# Altium PCB motordriver-v5.1_willem.PcbDoc (part 3 of 6)
Units mil, origin at the board's own origin, x right, y up, seen from the top; angles counter-clockwise.
Board outline 3985.43 x 6141.73 mil, 4 copper layers (Top Copper, Signal Layer 1, Signal Layer 2, Bottom Copper), stack 46.063 mil thick; 731 components, 510 nets, 2436 pads, 771 vias.
Unrouted connection lines stored in the file: 766.
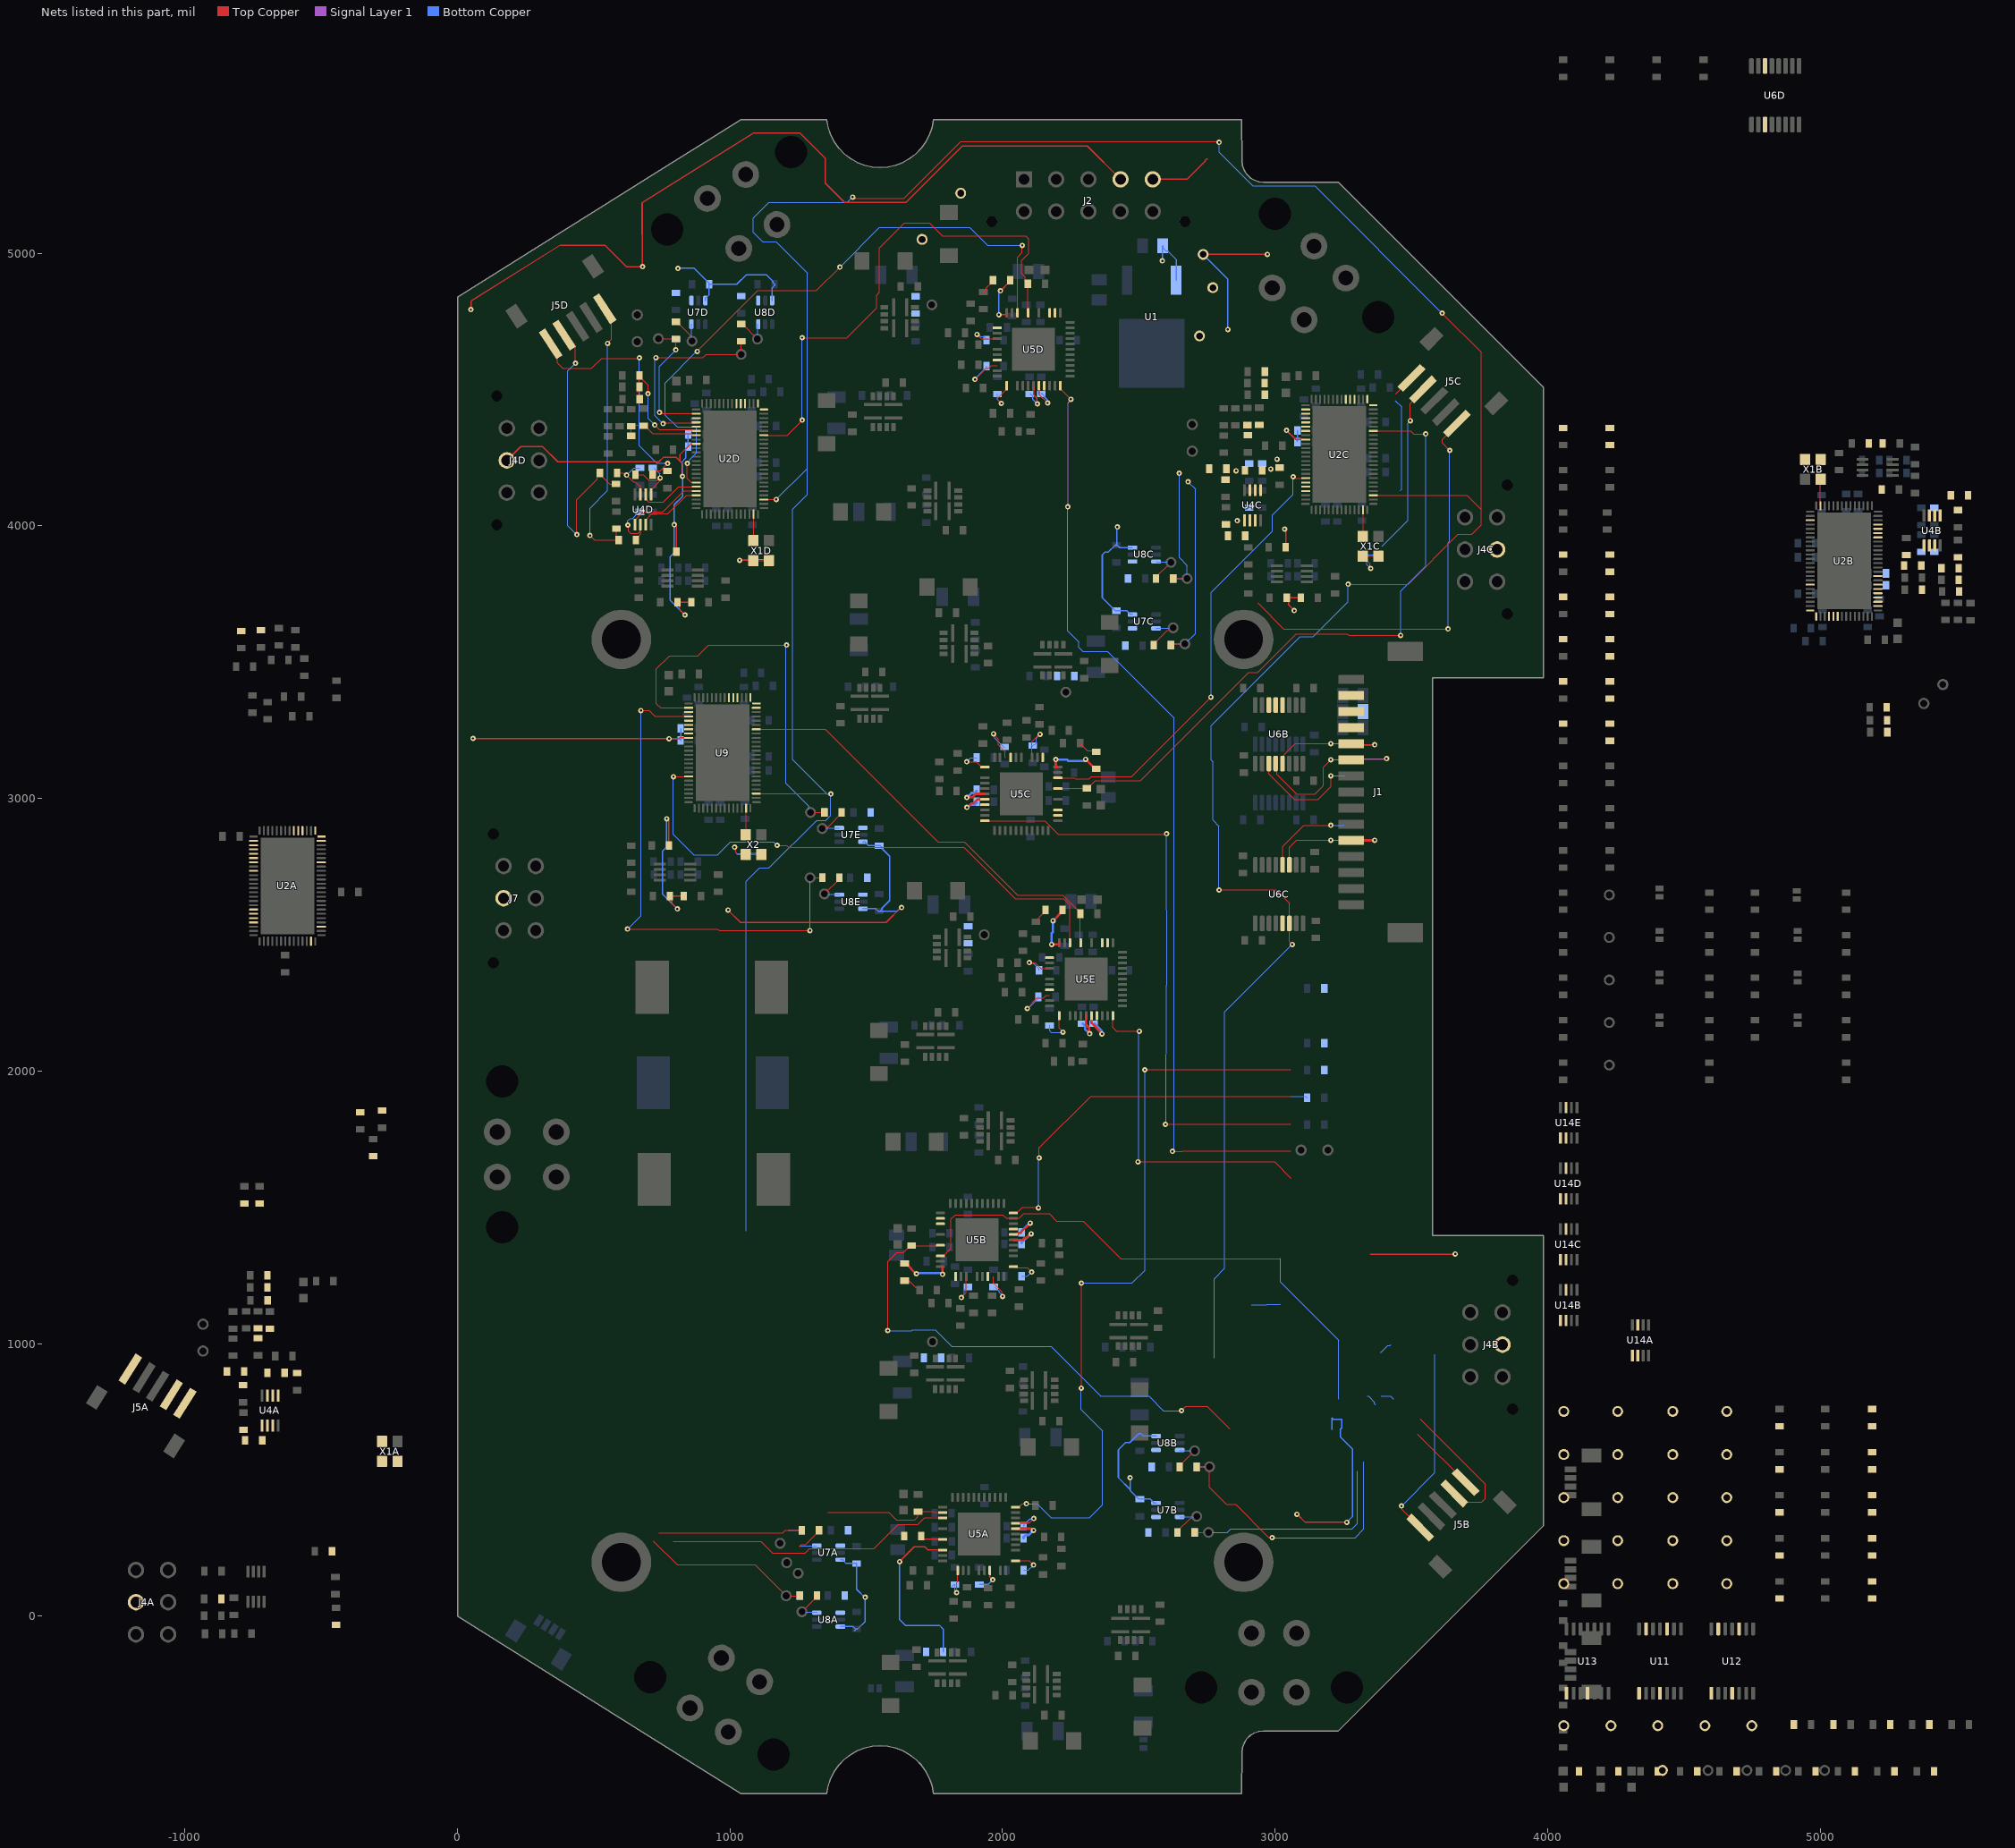
[diagram p5: the nets of this part, all layers, seen from the top]

## Part data (continued)
R38A R38B R38C R38D R38E R39A R39B R39C R39D R39E R41A R41B R41C R41D R41E R44A R44B R44C R44D R44E R45A R45B R45C R45D R45E R47A R47B R47C R47D R47E R51A R51B R51C R51D R51E R52A R52B R52C R52D R52E R54A R54B R54C R54D R54E: library part "RES 10.0 1/8W - 1%", "Default Resistor Symbol", Manufacturer Part Number 1=RNCP0603FTD10R0, Package=0805, Power (Watts)=0.125W, Supplier Part Number 1=RNCP0603FTD10R0CT-ND, Tolerance=1%, Manufacturer Part Number 2=RNCP0603FTD10R0, Part Number="RES 10.0 1/8W - 1%", Supplier 1=Digi-Key, Supplier 2=Digi-Key, Supplier Part Number 2=RNCP0603FTD10R0CT-ND, Tolerance 2=1%
R40A R40B R40C R40D R40E R46A R46B R46C R46D R46E R53A R53B R53C R53D R53E: library part "RES 10m 1W", "Default Resistor Symbol", Manufacturer Part Number 1=CSRL1-0R01F8, Package=0805, Power (Watts)=0.125W, Supplier Part Number 1=696-1845-1-ND, Tolerance=1%, Part Number="RES 10m 1W", Supplier 1=Digi-Key
R81A R81B R81C R81D R81E R81F R81G R81H R81I R81J R81K: library part "RES 100.0 1/8W - 5%", "Default Resistor Symbol", Manufacturer Part Number 1=RMCF0805JT100R, Manufacturer Part Number 2=RK73B1JRTTD101J, Package=0805, Power (Watts)=0.125W, Supplier Part Number 1=RMCF0805JT100RCT-ND, Tolerance=5%, Part Number="RES 100.0 1/8W - 5%", Supplier 1=Digi-Key, Supplier 2=Digi-Key, Supplier Part Number 2=2019-RK73B1JRTTD101JCT-ND, Tolerance 2=5%
U1: "Linear Voltage Regulator IC Positive Fixed 1 Output  1A TO-252-3", Package=TO-252-3, Supplier Part Number 1=ZLDO1117K33DICT-ND, Digikey=ZLDO1117K33DIDKR-ND, Digikey Link=https://www.digikey.ca/product-detail/en/diodes-incorporated/ZLDO1117K33TC/ZLDO1117K33DIDKR-ND/2095639, Manufacturer Part Number=ZLDO1117K33TC, MF="Diodes Incorporated", MP=ZLDO1117K33TC, Part Number=ZLDO1117K33TC, Suppler URL 1=https://www.digikey.ca/product-detail/en/diodes-incorporated/ZLDO1117K33TC/ZLDO1117K33DIDKR-ND/2095639, Supplier 1=Digi-Key
U2A U2B U2C U2D U9: library part TMC4671, "Motor Driver, -40 To 125Deg C Rohs Compliant: Yes", Supplier Part Number 1=1460-TMC4671-LA-ND, Manufacturer Part Number=TMC4671-LA, Part Number=TMC4671, Suppler URL 1=https://www.digikey.ca/en/products/detail/trinamic-motion-control-gmbh/TMC4671-LA/12174669?s=N4IgTCBcDaIIwBYBsAGAtAFQLIGFkHY40AZAQTQDkAREAXQF8g, Supplier 1=Digi-Key
U3A U3B U3C U3D U4A U4B U4C U4D U10: library part "IC 74LVC3G17DC,125", "IC BUFFER TRIPLE SCHMITT TRIGGER 5.5V VSSOP-8", Supplier Part Number 1=33AC1281, Manufacturer Part Number=74LVC3G17DC,125, Part Number="IC 74LVC3G17DC,125", Suppler URL 1=https://canada.newark.com/nexperia/74lvc3g17dc-125/buffer-non-inverting-triple-vssop/dp/33AC1281?ost=33ac1281, Supplier 1=Newark
U5A U5B U5C U5D U5E: "GATE DRIVER IC 8-60V QFN37", Manufacturer Part Number=TMC6100-LA, Supplier Part Number 1=54AH1603, Part Number=TMC6100, Suppler URL 1=https://canada.newark.com/trinamic/tmc6100-la/motor-driver-40-to-125deg-c-rohs/dp/54AH1603?ost=54ah1603, Supplier 1=Newark
U6A U6B U6C U6D: library part "ISO ADUM141D1BRQZ", "Digital Isolator CMOS 4-CH 150Mbps 16-Pin QSOP T/R", Supplier Part Number 1=ADUM141D1BRQZ-ND, Manufacturer Part Number=ADUM141D1BRQZ, Part Number="ISO ADUM141D1BRQZ", Suppler URL 1=https://www.digikey.ca/en/products/detail/analog-devices-inc/ADUM141D1BRQZ/7606661, Supplier 1=Digi-Key
U7A U7B U7C U7D U7E U8A U8B U8C U8D U8E: "SP Amp Current Sense Amp Single R-R O/P 5.5V Automotive 6-Pin SC-70 T/R", Manufacturer Part Number=TSC214ICT, Supplier Part Number 1=497-TSC214ICT-ND, Part Number="OP AMP CURR SENSE BI TSC", Suppler URL 1=https://www.digikey.ca/en/products/detail/stmicroelectronics/TSC214ICT/14291430?s=N4IgTCBcDaICwE4DsBaAKgZQMJgIxwEks0UA5AERAF0BfIA, Supplier 1=Digi-Key
U11 U12 U13: library part SN74LVC125APWR, "Buffer, Non-Inverting 4 Element 1 Bit per Element 3-State Output 14-TSSOP", Supplier Part Number 1=296-1222-1-ND, Manufacturer Part Number=SN74LVC125APWR, Part Number=SN74LVC125APWR, Suppler URL 1=https://www.digikey.ca/en/products/detail/texas-instruments/SN74LVC125APWR/276865, Supplier 1=Digi-Key
U14A U14B U14C U14D U14E: "Analog Switch ICs Multi/Demultiplexer LV 3:1 SP3T", Package=None, Supplier Part Number 1=512-FSA3357K8X, Availability=Unavailable, Manufacturer Part Number=FSA3357K8X, MP=FSA3357K8X, Part Number=FSA3357K8X, Price=None, Suppler URL 1=https://www.mouser.ca/ProductDetail/onsemi-Fairchild/FSA3357K8X?qs=sGAEpiMZZMtqBmg8fZQA6wYDAhwKfUHh, Supplier 1=Mouser
X1A X1B X1C X1D X2: library part "XTAL OSC 25MHz 3.3V", "Oscillator XO 25MHz ±15ppm 15pF CMOS 55% 2.5V/3.3V 4-Pin Mini-CSMD T/R", Frequency=32.768kHz, Load Capacitance=12.5pF, Supplier Part Number 1=1253-1254-6-ND, Manufacturer Part Number=KC2520C25.0000C2LE00, Part Number="XTAL OSC 25MHz 3.3V", Supplier 1=Digi-Key, Supplier URL 1=https://www.digikey.ca/en/products/detail/kyocera-avx/KC2520C25-0000C2LE00/4867084?s=N4IgTCBcDaIIxgKwGYC0DEBZUDZUDkAREAXQF8g
TP1 TP2 TP3 TP4 TP5 TP6 TP7 TP8 TP9 TP10 TP11A TP11B TP11C TP11D TP11E TP12A TP12B TP12C TP12D TP12E TP13A TP13B TP13C TP13D TP13E TP14A TP14B TP14C TP14D TP14E TP15A TP15B TP15C TP15D TP15E TP16A TP16B TP16C TP16D TP16E TP17A TP17B TP17C TP17D TP17E TP18A TP18B TP18C TP18D TP18E TP19A TP19B TP19C TP19D TP19E TP20A TP20B TP20C TP20D TP20E TP21 TP22 TP23 TP24 TP25: Part Number="Test Point (Via)"

## Via types
v1: diameter 19.68, hole 7.87, Top Copper to Bottom Copper, tented both sides, 476 vias
v2: diameter 24, hole 10, Top Copper to Bottom Copper, 160 vias
v3: diameter 19.68, hole 7.87, Top Copper to Bottom Copper, 80 vias
v4: diameter 30, hole 15, Top Copper to Bottom Copper, tented both sides, 55 vias

## Nets (pads, with @x,y where several pads share a name; then routed paths per layer and width w, separated by ;. In a path a pad name is that pad's centre, name@x,y a point inside that pad or via, vN(x,y) a via of type N, cw(c..) or ccw(c..) an arc to the next point about the centre after c; other vN are vias at no path point)
2.5V_REFA: C48A.2 C51A.2 R71A.2 R72A.1 U2A.17 U2A.19 U7A.1 U8A.1
2.5V_REFB: C48B.2 C51B.2 R71B.2 R72B.1 U2B.17 U2B.19 U7B.1 U8B.1
2.5V_REFC: C48C.2 C51C.2 R71C.2 R72C.1 U2C.17 U2C.19 U7C.1 U8C.1
2.5V_REFD: C48D.2 C51D.2 R71D.2 R72D.1 U2D.17 U2D.19 U7D.1 U8D.1
2.5V_REFE: C48E.2 C51E.2 R71E.2 R72E.1 U7E.1 U8E.1 U9.17 U9.19
5V: C1.2 C12A.2 C12B.2 C12C.2 C12D.2 C13A.2 C13B.2 C13C.2 C13D.2 C50A.2 C50B.2 C50C.2 C50D.2 C50E.2 C57.2 C58.2 J2.4 J2.5 J4A.5 J4B.5 J4C.5 J4D.5 J7.5 R12.2 R25A.1 R25B.1 R25C.1 R25D.1 R26A.1 R26B.1 R26C.1 R26D.1 R27A.1 R27B.1 R27C.1 R27D.1 R62.1 R63.1 R64.1 R71A.1 R71B.1 R71C.1 R71D.1 R71E.1 TP10.1 U1.3 U2A.23 U2B.23 U2C.23 U2D.23 U7A.3 U7B.3 U7C.3 U7D.3 U7E.3 U8A.3 U8B.3 U8C.3 U8D.3 U8E.3 U9.23 | length 11243.6
  Top Copper w5: v1(49.21,4793.31) 49.21,4823.5 50.68,4824.96 ; 50.68,4824.97 51.08,4825.37 378.05,5030.09 540.78,5030.09 620.08,4950.79 v1(679.13,4950.79) 677.64,5183.1 677.64,5185.2 679.5,5187.06 1085.47,5441.82 1256.33,5441.82 1349.58,5348.57 1349.58,5257.42 1420,5187 1646,5187 1852.7,5393.7 2311.02,5393.7 J2.4@2433.07,5271.65 ; v1(56.88,3220.36) 57.56,3219.68 775.76,3219.68 v1(776.44,3219) 811.87,3219 815.27,3222.4 U9.23@848.5,3222.4 ; J4D.5@181.1,4240.16 232.28,4291.34 311.66,4291.34 368,4235 738.96,4235 754.96,4251 803,4251 817,4237 ; v1(767.72,2925.2) 775.59,2917.32 R62.1@775.59,2826.77 ; v1(795.28,4003.94) 803.15,3996.06 R25D.1@803.15,3905.51 ; v1(807.09,2594.49) 807.09,2595.08 786.34,2615.83 786.34,2634.92 R63.1@779.53,2641.73 R64.1@830.71,2641.73 ; v1(826,4182) 825.97,4228.03 817,4237 ; v1(834.65,3673.23) 834.65,3673.82 813.9,3694.57 813.9,3713.66 R26D.1@807.09,3720.47 R27D.1@858.27,3720.47 ; U2D.23@876.06,4301.14 856.14,4301.14 817,4262 817,4237 ; v1(993.08,2590.41) 1038.49,2545 1572.48,2545 1627.29,2599.81 v1(1629.91,2599.81) ; J2.5@2551.18,5271.65 2677.16,5271.65 2743.72,5338.21 2743.72,5342.15 2748.03,5346.46 2751.97,5346.46 ; v1(2586.61,4972.44) v1@2590.55,4972.44 ; v1(3035.43,3988.19) 3035.43,3985.57 3039.37,3981.63 R25C.1@3039.37,3921.26 ; v1(3042.37,4350.41) 3075.88,4316.89 U2C.23@3112.28,4316.89 ; v1(3070.87,3688.98) 3070.87,3689.57 3050.12,3710.32 3050.12,3729.41 R26C.1@3043.31,3736.22 R27C.1@3094.49,3736.22 ; v1(3080.71,374.02) 3110.72,344 v1(3263,344) ; 3350.39,1326.77 3659.68,1326.77 v1(3661.42,1328.5)
  Bottom Copper w5: v1(767.72,2925.2) 767.72,2822.83 751.97,2807.09 751.97,2649.61 v1(807.09,2594.49) ; v1(776.44,3219) 813.56,3219 818.9,3213.66 C57.2@818.9,3255.91 ; v1(808.88,4944.57) 809.98,4945.67 868.15,4945.67 923.54,4890.28 C50D.2@923.54,4886.34 ; v1(834.65,3673.23) 779.53,3728.35 779.53,3885.83 795.28,3901.58 v1(795.28,4003.94) 795.28,4077.61 826,4108.33 v1(826,4182) 823.72,4184.28 823.72,4234.68 837.15,4248.11 837.15,4283.09 846.46,4292.4 C12D.2@846.46,4334.65 ; U7D.3@909.45,4826.77 909.45,4836.62 909.82,4836.99 912.44,4836.99 923.54,4848.09 C50D.2@923.54,4886.34 ; U8D.3@1154.92,4826.77 1154.92,4873.62 1163.7,4882.4 1163.7,4886.34 1156.89,4893.15 1156.89,4897.97 1133.59,4921.26 1059.74,4921.26 1024.82,4886.34 C50D.2@923.54,4886.34 ; U8A.3@1405,-38.46 1451.85,-38.46 1460.63,-47.24 1463.5,-47.24 ; U7A.3@1405,207.01 1414.84,207.01 1415.22,206.63 1415.22,204.02 1426.32,192.91 C50A.2@1464.57,192.91 1464.57,98.21 1494.97,67.81 1495.31,67.46 1495.31,-20.43 1468.5,-47.24 1463.5,-47.24 ; 1456.69,-54.05 1463.5,-47.24 ; U8E.3@1487.68,2595.39 1534.53,2595.39 1543.31,2586.61 1547.24,2586.61 1551.18,2586.61 ; U7E.3@1487.68,2840.87 1497.52,2840.87 1497.89,2840.49 1497.89,2837.87 1509,2826.77 1551.18,2826.77 1557.99,2819.96 1557.99,2816.02 1585.82,2788.19 1585.82,2625.19 1557.99,2597.36 1557.99,2593.42 1551.18,2586.61 ; v1(1629.91,2599.81) 1627.29,2599.81 1614.09,2586.61 1551.18,2586.61 ; v1(2421.26,3996.06) 2419.29,3994.09 2419.29,3931.1 2421.26,3929.13 ; v1(2468.5,507.87) 2468.5,464.57 ; U7C.3@2476.89,3674.88 2467.05,3674.88 2466.67,3675.26 2466.67,3677.87 2455.57,3688.98 2413.38,3688.98 2366.14,3736.22 2366.14,3893.7 2376.75,3904.31 2388.56,3904.31 2413.38,3929.13 2421.26,3929.13 ; U8C.3@2476.89,3920.35 2430.04,3920.35 2421.26,3929.13 ; U7B.3@2563.5,415.04 2553.66,415.04 2553.29,415.41 2553.29,418.03 2542.18,429.13 2500,429.13 2468.5,460.63 2468.5,464.57 ; U8B.3@2563.5,660.51 2516.65,660.51 2507.87,669.29 2500,669.29 2467.07,636.36 2451.32,636.36 2425.2,610.24 2425.2,507.87 2468.5,464.57 ; v1(2586.61,4972.44) 2587.4,4973.22 2587.4,5026.78 C1.2@2588.18,5027.56 2588.18,5020.06 2600.68,5007.56 2607.34,5007.56 2637.24,4977.66 U1.3@2637.24,4901.22 ; v1(3042.37,4350.41) 3073.13,4319.65 3074.05,4319.65 3082.68,4311.02 C12C.2@3082.68,4350.39 ; 3208.66,685.04 3208.66,727.28 3213.64,722.31 3244.62,722.31 3244.62,690.59 3240.16,686.13 3240.16,657.48 3283.66,613.98 3283.66,364.66 v1(3263,344)
  other v1: 1496.06,68.9
5VOUTA: C36A.2 U5A.7 | length 124.1
  Top Copper w5: U5A.7@2047.92,340.7 2097.41,340.7 v1(2114.68,357.98)
  Bottom Copper w5: C36A.2@2077.67,329.64 2077.67,333.58 2100.02,355.93 v1@2114.68,355.93
5VOUTB: C36B.2 U5B.7 | length 122.7
  Top Copper w9: 2040.17,1399.88 2051.98,1399.88 2058.62,1406.52 2066.16,1406.52 v1(2101.5,1441.87)
  Bottom Copper w9: C36B.2@2069.8,1412.32 2099.35,1441.87 v1(2101.5,1441.87)
5VOUTC: C36C.2 U5C.7 | length 125.5
  Top Copper w9: v1(1869.23,2967.03) 1872.12,2967.03 1886.9,2981.81 1893.83,2981.81 1908.71,2996.69 1935.14,2996.69
  Bottom Copper w9: v1(1869.23,2967.03) 1872.12,2967.03 1882.04,2976.94 1898.2,2976.94 1905.51,2984.25 C36C.2@1905.51,2988.19
5VOUTD: C36D.2 U5D.7 | length 121.1
  Top Copper w5: 2134.12,4513.58 2134.12,4482.51 v1(2165.59,4451.04)
  Top Copper w9: 2133.82,4513.88 2134.12,4513.58
  Bottom Copper w5: C36D.2@2142.32,4484.25 2146.26,4484.25 2153.57,4476.94 2153.57,4473 2163.54,4463.03 2163.54,4453.09 v1(2165.59,4451.04)
5VOUTE: C36E.2 U5E.7 | length 131.6
  Top Copper w9: 2326.15,2202.85 2326.15,2176.43 2365.12,2137.45 v1(2365.12,2135.83)
  Bottom Copper w9: C36E.2@2338.58,2173.23 2363.08,2148.73 2363.08,2137.87 v1(2365.12,2135.83)
12VOUTA: C35A.2 U5A.6 | length 122.3
  Top Copper w9: U5A.6@2047.92,321.02 2105.22,321.02 2111.28,314.96 v1(2114.17,314.96) v1@2112.13,312.92
  Bottom Copper w9: C35A.2@2077.67,286.33 2077.67,290.27 2084.98,297.58 2096.8,297.58 v1(2114.17,314.96)
12VOUTB: C35B.2 U5B.6 | length 124.2
  Top Copper w9: 2040.05,1380.07 2073.66,1380.07 2081.16,1387.58 2087.53,1387.58 2102.72,1402.77 v1(2105.34,1402.77)
  Bottom Copper w9: C35B.2@2069.8,1369.01 2103.56,1402.77 v1(2105.34,1402.77)
12VOUTC: C35C.2 U5C.6 | length 118.8
  Top Copper w9: v1(1869.01,3002.87) 1871.05,3004.91 1890.07,3004.91 1901.65,3016.5 1935.26,3016.5
  Bottom Copper w9: v1(1869.01,3002.87) 1886.39,3020.25 1898.2,3020.25 1905.51,3027.56 C35C.2@1905.51,3027.76
12VOUTD: C35D.2 U5D.6 | length 118.8
  Top Copper w5: 2114.02,4514 2114.02,4480.39 2125.6,4468.81 2125.6,4449.79 v1(2127.64,4447.75)
  Bottom Copper w5: C35D.2@2102.76,4484.25 2102.95,4484.25 2110.26,4476.94 2110.26,4465.13 v1(2127.64,4447.75)
12VOUTE: C35E.2 U5E.6 | length 118.8
  Top Copper w9: 2306.34,2202.98 2306.34,2169.37 2317.92,2157.78 2317.92,2138.77 v1(2319.96,2136.73)
  Bottom Copper w9: C35E.2@2295.08,2173.23 2295.27,2173.23 2302.59,2165.92 2302.59,2154.11 v1(2319.96,2136.73)
ADC_VM_E: R75.2 R76.1 U9.20 | length 62.1
  Bottom Copper w3.5: 3058.27,1907.09 3112.6,1907.09 R75.2@3118.11,1901.57
ADC_VMA: C3A.2 R16A.2 R17A.1 U2A.20
ADC_VMB: C3B.2 R16B.2 R17B.1 U2B.20
ADC_VMC: C3C.2 R16C.2 R17C.1 U2C.20
ADC_VMD: C3D.2 R16D.2 R17D.1 U2D.20 | length 451
  Top Copper w3.5: 659,4490.5 659.5,4490 ; R17D.1@667.5,4552 R17D.1@667.5,4548.06 ; R16D.2@668.5,4465 668.5,4509 C3D.2@667.5,4510 R17D.1@667.5,4548.06 ; v1(699,4485) 699,4516.56 R17D.1@667.5,4548.06 ; v1(724,4370) 741,4353 859.03,4353 861.11,4350.92 861.11,4350.22 862.94,4348.39 U2D.20@876.06,4348.39
  Bottom Copper w3.5: v1(699,4485) 699,4395 v1(724,4370)
CHIP_TEMPA: C5A.2 R19A.2 R21A.1 U2A.21
CHIP_TEMPB: C5B.2 R19B.2 R21B.1 U2B.21
CHIP_TEMPC: C5C.2 R19C.2 R21C.1 U2C.21
CHIP_TEMPD: C5D.2 R19D.2 R21D.1 U2D.21 | length 294.9
  Top Copper w3.5: R19D.2@636,4334.5 637,4335.5 637,4370.5 684,4370.5 687.93,4370.5 697.99,4360.44 697.99,4356.51 715.5,4339 859.03,4339 861.11,4336.92 861.11,4334.47 862.94,4332.64 U2D.21@876.06,4332.64
CHIP_TEMPE: C73.2 R78.2 R80.1 U9.21
CLK_ENA: C6A.2 FB1A.2 X1A.1 X1A.4
CLK_ENB: C6B.2 FB1B.2 X1B.1 X1B.4 | length 107.9
  Bottom Copper w3.5: 2913.39,1141.73 2968.5,1141.73 2970.47,1143.7 3017.72,1143.7 3019.68,1145.67
CLK_ENC: C6C.2 FB1C.2 X1C.1 X1C.4 | length 233.8
  Top Copper w3.5: v1(3351,3844) 3348.19,3846.81 3348.19,3860.47 3321.85,3886.81 X1C.4@3321.85,3888.78 X1C.1@3378.94,3888.78
  Bottom Copper w3.5: v1(3351,3844) 3349.23,3844 3336.08,3857.14 3336.08,3884.39 3326.77,3893.7 FB1C.2@3322.83,3893.7 C6C.2@3377.95,3893.7
CLK_END: C6D.2 FB1D.2 X1D.1 X1D.4 | length 215.6
  Top Copper w3.5: v1(1035.43,3874.02) 1084.65,3874.02 X1D.4@1085.63,3873.03 X1D.1@1142.72,3873.03
  Bottom Copper w3.5: v1(1035.43,3874.02) 1037.4,3875.98 1084.65,3875.98 FB1D.2@1086.61,3877.95 C6D.2@1141.73,3877.95
CLK_ENE: C52.2 FB2.2 X2.1 X2.4 | length 234.5
  Top Copper w3.5: v1(1017,2821) 1020.1,2817.9 1020.1,2811.49 1020.73,2810.86 1020.73,2801.34 1026.79,2795.28 1057.09,2795.28 X2.4@1058.07,2794.29 X2.1@1115.16,2794.29
  Bottom Copper w3.5: v1(1017,2821) 1017,2813 1022.77,2799.29 1024.82,2797.24 1057.09,2797.24 FB2.2@1059.06,2799.21 C52.2@1114.17,2799.21
CLKA: U2A.51 X1A.3
CLKB: U2B.51 X1B.3 | length 97.8
  Top Copper w3.5: U2B.51@5001.43,4073.8 5001.43,4170.14 X1B.3@5002.49,4171.2
CLKC: U2C.51 X1C.3 | length 97.8
  Top Copper w3.5: X1C.3@3321.85,3961.61 3322.91,3962.68 3322.91,3972.44 U2C.51@3322.91,4059.02
CLKD: U2D.51 X1D.3 | length 97.8
  Top Copper w3.5: X1D.3@1085.63,3945.87 1086.69,3946.93 1086.69,3956.69 U2D.51@1086.69,4043.27
CLKE: U9.51 X2.3 | length 97.8
  Top Copper w3.5: X2.3@1058.07,2867.13 1059.13,2868.19 1059.13,2877.95 U9.51@1059.13,2964.53
CPI_CAPA: C39A.2 R49A.2
CPI_CAPB: C39B.2 R49B.2 | length 60.3
  Top Copper w3.5: R49B.2@1652.47,1231.22 1656.41,1231.22 1660.35,1227.28 1681.1,1206.53 1688.97,1206.53 1695.78,1199.72 1695.78,1195.78
CPI_CAPC: C39C.2 R49C.2 | length 78.4
  Top Copper w3.5: 2284.68,3199.54 2293.97,3190.26 2296.82,3190.26 2311.77,3175.31 2340.19,3175.31 R49C.2@2349.29,3166.21
CPI_CAPD: C39D.2 R49D.2 | length 60.3
  Top Copper w3.5: 1929.72,4858.27 1933.66,4858.27 1940.47,4865.08 1940.47,4872.95 1961.22,4893.7 1965.16,4897.64 R49D.2@1965.16,4901.57
CPI_CAPE: C39E.2 R49E.2 | length 60.3
  Top Copper w3.5: 2122.05,2547.25 2125.98,2547.25 2132.79,2554.06 2132.79,2561.93 2153.54,2582.68 2157.48,2586.62 R49E.2@2157.48,2590.55
CPIA: C39A.1 U5A.27 | length 656.4
  Top Copper w5: v1(1622,200) 1676,254 1715,254 1726.72,242.28 U5A.27@1780.21,242.28
  Bottom Copper w5: v1(1622,200) 1622,-12.57 1643.43,-34 1769,-34 1782.4,-47.4 C39A.1@1782.4,-130.99
CPIB: C39B.1 U5B.27
CPIC: C39C.1 U5C.27
CPID: C39D.1 U5D.27
CPIE: C39E.1 U5E.27
CPOA: R49A.1 U5A.26 | length 92.7
  Top Copper w5: R49A.1@1697,295.07 1709.31,282.75 1713.48,282.75 1714.58,281.65 U5A.26@1780.21,281.65
  Top Copper w9: R49A.1@1697,295.07 R49A.1@1697,299
CPOB: R49B.1 U5B.26 | length 173
  Top Copper w9: R49B.1@1648.74,1289.88 1682.55,1256.08 v1(1683.92,1256.08) ; v1(1779.86,1253.64) 1779.86,1281.23 1780.28,1281.65 1781.83,1281.65